# KiCad board Duet2.kicad_pcb (continued)
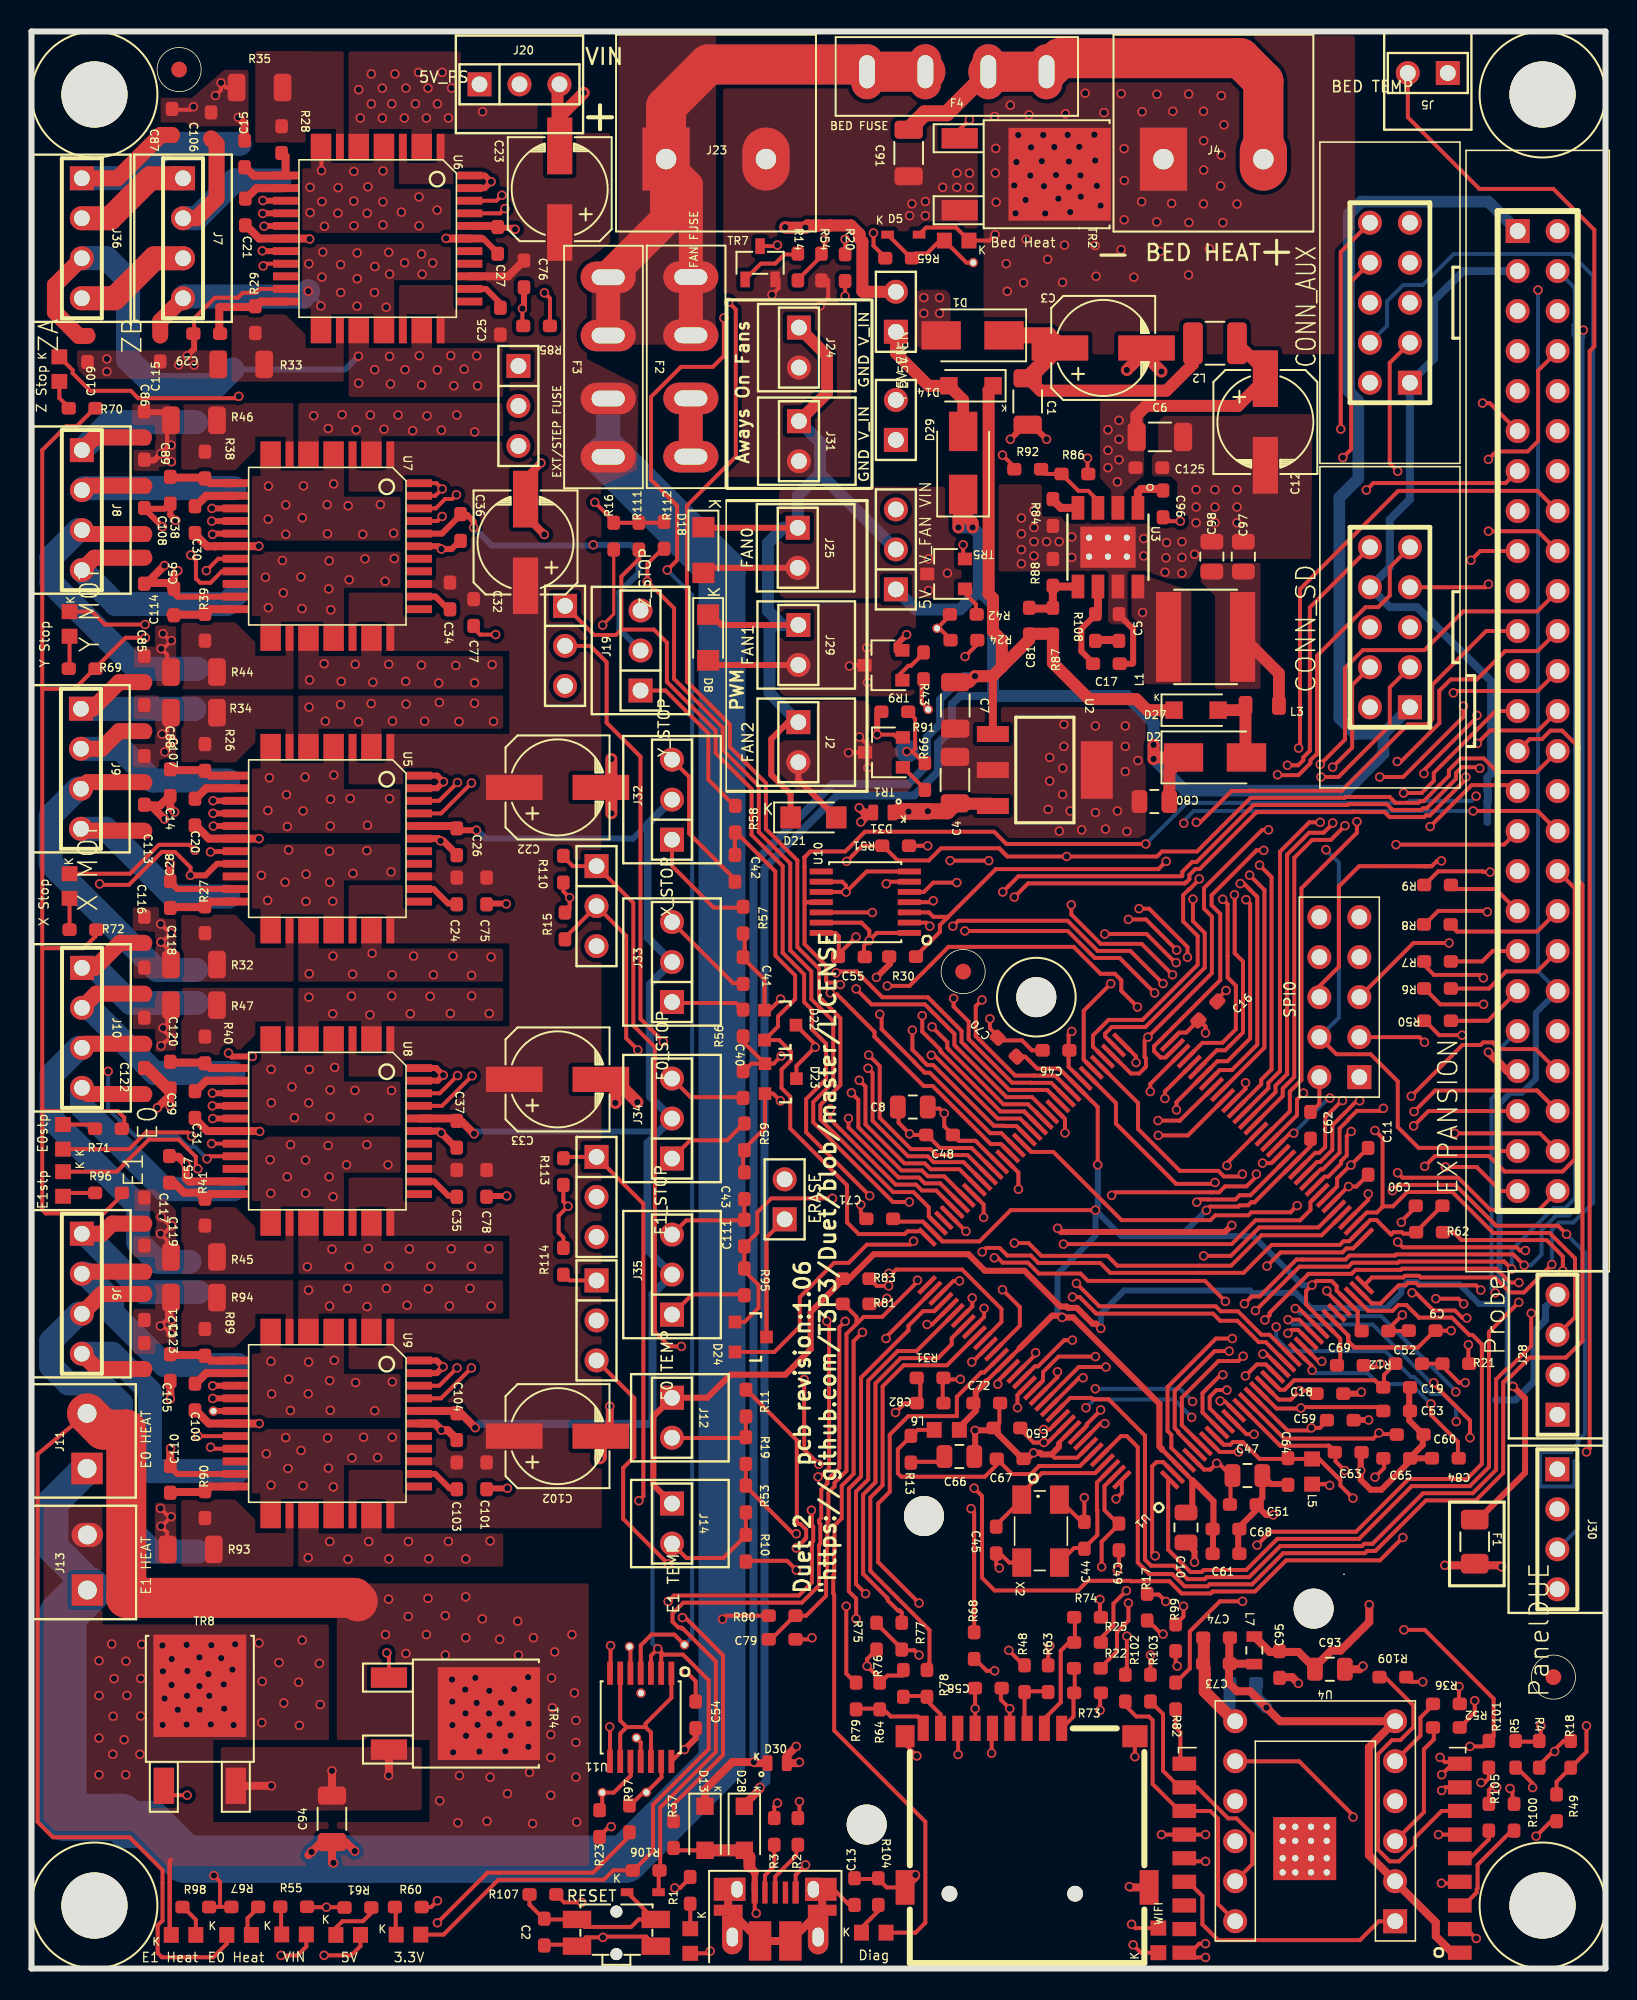
[diagram p0: board, top side]
## Routing (per net, layer and track width the routed paths; a pad name or vN(x,y) marks a point on that pad's centre or on a via; arc(x,y) is an arc through that point) (continued)
/Power Supplies/5V_common: length 5.2
  Top w0.75: D2.2 77.13,76.97 L3.1 76.83,79.9 D27.2
/Power Supplies/5v_in: length 28.4
  Top w0.762: L2.1 78.61,101.18 76.66,99.23 70.81,99.23 70.19,98.6 70.19,97.25
  In1.Cu w0.254: JP9.2 67.79,99.6 v1(69.09,98.3)
  vias: v1(68.39,97.7) v1(68.39,96.4) v1(68.39,95.3) v1(68.99,94.4) v1(69.09,97.1) v1(69.09,95.8)
/Power Supplies/5vbst: length 2.7
  Top w0.508: 71.89,93.95 70.49,93.95 70.29,93.76 U3.1
/Power Supplies/5vcomp: length 5.7
  Top w0.381: 67.49,82.85 66.7,83.64 66.7,85.06 67.59,85.95
  Top w0.508: U3.6 67.75,86.12 67.59,85.95
/Power Supplies/5vcompcap: length 1.5
  Top w0.508: 69.09,84.35 67.59,84.35
/Power Supplies/5ven: length 4.9
  Top w0.254: R92.2 64.44,94.9 R86.1 66.51,93.83 67.14,93.83 67.75,93.22 U3.3
/Power Supplies/5venjump: length 8.4
  Top w0.25: v1(61.69,96.1) 62.44,95.35 R92.1
  In1.Cu w0.25: v1(61.69,96.1) 60.73,97.06 JP9.1
/Power Supplies/5vext: length 8.9
  Top w0.75: JP10.1 54.92,102.58 56.99,100.5 D14.2 59.19,99.6 D29.2
/Power Supplies/5vfb: length 4.6
  Top w0.508: U3.5 64.99,87.76 64.89,87.85 64.89,86.35 63.39,86.35
/Power Supplies/5vout: length 5.3
  Top w0.75: L1.1 79.25,82.24 L3.2
/Power Supplies/5vrt: length 1.8
  Top w0.508: U3.4 65.39,92.75 64.89,93.25
/Power Supplies/5vsw: length 8.4
  Top w0.254: v1(72.99,91.9) 72.34,91.9 71.89,92.35
  In1.Cu w0.254: v1(70.59,86.1) 70.59,88.2 71.39,89 71.39,90.8 72.49,91.9 v1(72.99,91.9)
/Power Supplies/vin: length 19.8
  Top w0.762: 63.29,101 64.1,100.19 72.1,100.19 73.79,101.88 L2.2
  Top w1.016: D1.1 64.64,103.7 65.44,102.9 65.24,102.9 63.34,101 63.29,101
/Processor/VDDCORE: length 108.1
  Top w0.254: 71.82,32.94 U1.3 ; U1.3 73.75,31.01 ; U1.3 73.02,31.78 71.82,32.98 ; 60.66,37.29 61.83,38.46 U1.123 62.77,39.38 ; 83.15,38.25 83.15,40 U1.29 80.98,42.17 80.98,43.02 v1(81.35,43.39) 81.61,43.66 82.6,43.66 82.92,43.33 82.92,43.05 U1.33 84.26,41.71 84.26,40.78 84.56,40.48 ; 81.26,52.74 81.26,52.21 U1.50 77.7,48.65 77.49,48.65 77.3,48.46 76.76,48.46 76.68,48.38 74.88,48.38 v1(74.64,48.15) ; v1(67.74,51.03) 67.74,54.7 U1.81 65.29,57.15 63.89,57.15 63.13,57.9 C70.1 ; 65.52,41.46 65.52,41.38 v1(65.48,41.34) ; 54.69,47.6 54.86,47.43 56.62,47.43 U1.107 57.88,46.17 60.23,46.17 62.22,48.16 v1(67.59,48.16)
  Top w0.381: 65.52,41.46 64.85,41.46 62.77,39.38 ; 75.06,26.34 75.06,27.97 75.09,27.99 75.09,29.67 73.75,31.01 73.75,29.35 C10.1 ; L6.1 58.95,34.36 59.99,35.4 59.99,36.62 60.66,37.29 ; v1(65.48,41.34) 66.18,41.34 71.66,35.86 71.66,33.15 71.82,32.98 71.82,32.94
  Bottom w0.381: v1(65.48,41.34) 65.18,41.64 65.18,44.11 67.59,46.53 v1(67.59,48.16) ; v1(67.59,48.16) 67.74,48.31 v1(67.74,51.03) ; v1(67.59,48.16) 69.24,46.5 72.55,46.5 ; 72.55,46.5 77.62,46.5 80.73,43.39 v1(81.35,43.39) ; 72.55,46.5 73,46.5 v1(74.64,48.15)
GND: length 405.9
  Top w0.254: 19.92,3.89 v1(18.74,3.89) 17.49,3.89 ; v1(59.37,46.81) 59.36,46.81 U1.104 ; v1(65.66,53.06) 65.66,53.95 U1.85 ; v1(8.88,96.73) 8.62,96.99 8.62,98.31 8.62,96.6 v1(8.22,96.2) 8.37,96.2 v1(8.88,95.68) ; v1(8.35,84.76) 8.78,84.33 v1(8.89,84.33) 8.37,83.81 v1(8.24,83.81) 8.62,83.43 8.62,82.32 ; v1(8.47,77.25) 8.81,77.94 v1(8.98,77.94) 8.49,78.38 v1(8.3,78.38) 8.62,78.56 8.62,79.74 ; v1(8.21,66.33) 8.79,65.75 v1(8.87,65.75) 8.3,65.18 v1(8.22,65.18) 8.62,64.78 8.62,63.75 ; v1(8.23,58.59) 8.51,58.87 v1(8.91,59.09) 8.36,59.57 v1(8.36,59.72) 8.62,59.89 8.62,61.17 ; v1(8.24,47.72) 8.8,47.16 v1(8.91,47.16) 8.4,46.66 v1(8.2,46.66) 8.62,46.24 8.62,45.18 ; v1(8.2,29.22) 8.72,28.69 v1(8.88,28.69) 8.27,28.08 v1(8.23,28.08) 8.62,27.69 8.62,26.61 ; v1(40.87,5.12) 41.2,5.12 41.85,5.76 ; v1(53.23,65.28) 52.89,64.95 52.89,64.24 ; v1(53.23,65.28) 53.71,65.76 U10.1 ; v1(53.23,65.28) 53.23,65.91 52.73,66.41 U10.13 ; v1(8.85,40.32) 8.37,40.8 v1(8.19,40.8) 8.59,41.2 v1(8.88,41.2) 8.62,41.46 8.62,42.6 8.62,41.39 ; 65.28,33.31 65.28,33.4 U1.135 ; 64.8,32.64 65,32.44 66.43,32.44 U1.138 ; v1(53.73,78.35) 54.78,78.35 54.96,78.17 ; S1.2 39.05,2.02 36.35,2.02 v1(36.3,1.98) 35.22,1.98 S1.1 34.56,1.51 32.58,1.51 ; J37.2 81.82,54.9 81.26,54.34 ; v1(47.05,106.28) 47.47,106.7 47.47,107.26 ; 10.33,103.81 10.33,104.78 11.65,106.09 13.11,106.09 13.42,106.4 14.24,106.4 14.49,106.65 U6.21 ; v1(11.69,118.93) 12.04,119.28 v1(12.04,119.74) 12.34,119.44 12.99,119.44 ; v1(10.29,118.22) 10.1,118.03 8.93,118.03 ; v1(49.18,6.57) 48.55,5.94 J22.5 ; v1(77.13,56.24) 77.13,55.86 U1.61 ; U11.7 36.79,18.78 v1(36.79,20.5) ; U1.44 82.95,49.66 82.95,50.17 83.79,51.01 v1(83.83,51.01) 84.92,52.1 C11.2 ; v1(76.69,32.8) 75.49,32.8 U1.8 ; v1(74.59,1.58) 74.19,1.58 73.62,1 ; v1(59.31,83.3) 60.04,84.03 60.04,84.35 ; J15.G 55.5,14.25 v1(56.25,13.5) ; 48.49,20.9 49.49,20.9 v1(49.59,21) ; 96.54,13.65 96.64,13.65 v1(96.77,13.78) ; 96.54,13.65 97.34,14.45 R18.2 ; 96.54,13.65 95.79,12.9 95.79,12.8 ; v1(70.1,13.45) 70.1,14.75 J15.G ; 50.18,69.01 51.51,69.01 51.75,68.77 v1(51.75,68.35) 53.06,69.66 55.77,69.66 ; 33.79,49.8 33.79,48.7 v1(34.09,48.4) 33.49,47.8 33.49,46.73 33.79,46.43 33.79,45.7 ; v1(57.29,67.8) 57.2,67.71 U10.4 ; X2.4 66.78,28.3 66.89,28.3 v1(66.89,29.9) ; v1(74.59,0.7) 73.55,0.7 73.25,1 ; 44.69,69.06 44.69,69.16 41.78,72.07 41.78,75.67 J32.3 ; v1(59.95,34.17) 61.02,34.17 ; 52.29,5.68 53.8,5.68 54.33,5.15 J15.G ; 24.74,3.9 25.39,3.9 v1(25.79,4.3) ; U7.43 25.65,93.52 v1(26.09,93.95) 25.73,94.32 U7.44 ; v1(68.99,25.3) 69.09,25.4 69.09,26.6 ; v1(71.79,8.5) U4.13 v1(74.59,8.5) ; v1(61.49,25.43) 61.29,25.63 61.29,26.4 ; X2.2 62.12,25.78 61.49,26.4 ; 87.53,40.48 86.16,40.48 86.16,40.57 v1(87.09,41.5) ; U1.95 59.98,52.56 58.91,52.56 57.99,53.48 v1(57.99,54.3) 57.69,54.6 56.89,54.6 ; 59.19,89.66 v1(59.19,90.4) ; 33.79,69 33.79,68.4 v1(34.19,68) 34.19,67.3 33.89,67 ; U1.115 59.77,42.03 v1(59.77,42.58) ; 45.21,62.57 44.58,62.57 J33.3 ; 59.95,17.65 v1(59.95,16.5) J15.6 ; 84.78,38.21 85.5,38.21 v1(85.69,38.4) ; v1(67.09,95.9) 67.09,94.95 R86.2 ; 28.19,85.01 28.5,84.7 v1(29.49,84.7) ; v1(89.59,12.3) 90.29,13 90.73,13 90.63,13.1 89.79,13.1 v1(89.49,13.4) ; v1(54.34,42.55) 53.99,42.2 53.19,42.2 ; v1(31.19,105.4) 31.19,104.35 R85.2 ; 40.19,91.8 R111.2 37.09,91.8 v1(35.79,93.1) ; v1(60.89,60.3) 60.89,59.7 61.66,58.94 62.93,58.94 63.56,58.3 64.29,58.3 ; J35.3 41.59,47.5 45.29,47.5 45.29,48.9 ; 75.3,61.51 v1(75.89,62.1) ; v1(50.1,105.58) 50.62,106.1 50.62,107.24 ; v1(54.89,35.3) 55.49,35.9 56.29,35.9 56.47,36.08 56.47,37.3 ; v1(41.6,18.84) 42.2,18.24 42.2,16.9 ; 50.18,68.36 51.74,68.36 ; 61.49,35.8 61.49,34.64 61.17,34.32 ; 53.09,47.6 52.69,48.01 v1(52.69,48.5) ; J34.3 41.88,55.33 45.21,55.33 ; 88.39,33.93 88.39,33.25 ; 3.56,102.06 3.59,102.09 ; 87.99,48.41 87.03,47.44 v1(87.03,47.39)
  Top w0.381: U5.43 25.77,74.95 v1(26.17,75.35) 25.78,75.75 U5.44 ; v1(30.17,67.6) 30.14,67.62 28.91,67.62 ; v1(30.19,49.06) 30.19,49.06 28.91,49.06 ; v1(30.24,30.5) 30.22,30.49 28.91,30.49 ; 65.28,33.31 65.28,33.12 64.8,32.64 64.19,32.64 64.08,32.75 v1(63.66,32.75) 63.28,32.36 62.98,32.36 61.38,33.96 61.38,34.11 61.17,34.32 61.02,34.17 v1(59.95,34.17) 59.95,32.62 ; v1(55.6,84.7) 54.96,84.06 54.96,83.66 ; 8.82,31.86 9.27,31.41 U9.21 ; 8.82,69 9.27,68.55 U5.21 ; 8.82,87.57 9.27,87.12 U7.21 ; 29.62,108.93 28.7,109.85 U6.39 ; 87.54,32.18 85.76,30.4 85.08,30.4 84.45,31.03 v1(84.45,31.62) 84.45,32.78 ; 83.96,34.83 v1(84.95,34.83) ; 89,32.4 87.54,32.4 88.39,33.25 88.39,33.93 87.53,34.8 87.53,36.78 ; 77.77,29.46 77.77,29.08 76.66,27.97 76.66,26.34 ; 77.77,29.46 78.43,28.8 v1(78.89,28.8) ; 77.77,29.46 78.2,29.89 C47.2 78.74,30.76 79.83,30.76 ; v1(8.88,41.2) 8.82,41.26 8.82,42.6 ; 8.82,98.31 8.31,98.82 7.15,98.82 ; v1(8.22,96.2) 7.79,95.76 7.17,95.76 ; v1(8.32,91.55) 7.18,92.69 7.17,92.69 8.44,92.69 8.82,93.07 8.82,92.31 v1(9.17,91.95) ; 27.26,90.7 26.69,90.13 v1(26.04,90.13) 25.86,90.32 U7.39 ; C76.2 31.29,105.5 v1(31.19,105.4) ; v1(8.24,47.72) 8.24,47.83 ; R91.1 53.73,79.53 v1(53.73,78.35) ; U6.43 28.79,113.05 v1(29.2,113.46) 28.81,113.85 U6.44 ; U8.43 25.81,56.38 v1(26.16,56.73) 25.71,57.18 U8.44 ; 10.33,103.81 10.33,102.85 v1(9.89,102.4) ; U9.43 25.75,37.81 v1(26.15,38.2) 25.74,38.61 U9.44 ; 73.35,27.04 73.89,26.5 v1(73.89,25.8) ; v1(84.49,36.6) 84.39,36.5 C18.2 ; v1(62.19,97.1) 63.09,98 63.59,98 v1(64.49,97.1) ; 69.09,85.95 69.99,85.05 69.99,82.9 69.95,82.85 69.09,82.85
  Top w0.446: U5.39 25.85,71.75 v1(25.99,71.6) 26.16,71.6 27.02,70.75 ; U8.39 25.92,53.18 v1(26.04,53.05) 26.92,52.18 27.02,52.18
  Top w0.5: v1(52.59,73.7) 52.89,73.4 D31.2 53.29,73.4 v1(52.69,72.8) ; v1(32.58,91.06) 31.39,92.25 C32.2 31.39,94.63 v1(32.36,95.6) ; v1(48.79,13.1) 48.72,13.04 D30.2 47.99,13.5 v1(48.59,14.1)
  Top w0.508: v1(69.75,5.2) 69.8,5.15 J15.G ; v1(14.45,90.32) 14.44,90.32 U7.17 11.7,90.32 11.69,90.31 11.16,90.31 10.39,91.08 10.39,91.2 ; v1(14.46,71.74) 14.45,71.75 U5.17 11.27,71.75 10.39,72.63 ; v1(8.83,70.16) 8.82,70.15 8.82,69 ; 10.39,54.06 10.39,53.96 11.17,53.18 U8.17 14.48,53.18 v1(14.5,53.15) ; 10.39,35.49 11.27,34.61 U9.17 14.47,34.61 v1(14.47,34.6) ; v1(8.8,54.77) 8.82,54.79 8.82,55.93 8.82,55.47 v1(8,54.65) ; v1(8.84,33.03) 8.82,33.01 8.82,31.86 ; v1(8.82,36.17) 8.82,36.18 8.82,37.36 ; 13.58,110.74 14.47,109.85 U6.17 17.64,109.85 v1(17.68,109.82) ; 27.02,33.61 26.44,34.19 v1(26.04,34.19) 25.62,34.61 U9.39 ; v1(26.34,109.86) 26.35,109.85 U6.39 ; v1(9.1,73.43) 8.82,73.72 8.82,74.5 8.17,73.85 7.17,73.85 7.59,73.85 v1(8.45,72.99) ; v1(8.45,89.09) 7.34,87.98 7.17,87.98 8.65,87.98 9.05,87.58 9.05,88.51 v1(9.3,88.76) ; v1(13.14,117.54) 13.54,117.14 13.54,116.03 ; v1(36.74,35.7) 36.74,34.37 36.17,33.8 ; v1(15.24,11.6) 15.24,11.6 TR8.S ; v1(22.69,12.25) 22.71,12.27 TR4.S ; 79.29,18.5 80.09,18.5 v1(80.49,18.1) ; 8.76,51.54 9.34,51.54 v1(9.81,51.07) 9.81,50.17 10,49.98 U8.21 ; 83.39,19 84.39,19 v1(84.59,19.2) ; J15.G 56.16,5.81 v1(56.16,5.94) ; 19.09,11 v1(19.09,12.55) ; v1(89.79,25.6) 89.79,25.6 93.29,25.6 v1(93.39,25.5)
  Top w0.762: v1(37.09,54.97) 37.11,54.98 37.11,56.46 37.11,56.4 v1(38.49,55.01) ; v1(36.1,32.4) 36.17,32.46 36.17,33.8 ; 8.82,55.93 8.59,55.93 7.39,57.13 7.17,57.13 ; v1(36.84,76.8) 36.84,75.67 C22.2 36.84,74.33 v1(36.84,73.35) ; J20.3 33.42,119.52 33.42,115.73 ; 74.48,19.35 74.48,20.87 ; 33.7,116.68 33.7,117.71 v1(35.09,119.1) ; v1(69.59,101.5) 70.94,102.85 70.94,102.9 70.94,102.25 v1(71.79,101.4) ; 36.89,75.03 36.89,75.45 ; 74.54,19.08 74.54,17.58 76.43,15.7 76.45,15.7
  Bottom w0.762: C92.2 76.11,16.04 76.45,15.7
  vias: v1(4.79,102.2) v1(4.79,101.4) v1(9.35,101.83) v1(10.33,101.82) v1(55.79,111.3) v1(55.93,112.06) v1(56.79,112.2) v1(56.79,111.3) v1(57.89,113.1) v1(58.79,114) v1(58.79,113.1) v1(59.59,114) v1(59.59,113.1) v1(62.89,92.1) v1(62.89,91.1) v1(62.89,90.1) v1(62.89,89.2) v1(63.69,92.6) v1(63.69,91.5) v1(63.69,90.6) v1(63.69,89.7) v1(64.49,90.6) v1(64.59,73.6) v1(64.69,76.9) v1(64.69,75.4) v1(65.29,90.6) v1(65.3,72.22) v1(65.52,76.22) v1(65.51,74.55) v1(65.59,79) v1(65.59,77.6) v1(65.99,73.5) v1(66.09,90.9) v1(66.09,89.6) v1(66.72,72.3) v1(67.59,78.9) v1(67.59,73.4) v1(68.23,72.35) v1(68.99,73.5) v1(69.49,78.9) v1(69.49,77.6) v1(69.49,76) v1(69.59,72.2) v1(70.29,76.7) v1(70.66,90.8) v1(70.66,89.7) v1(72.01,88.66) v1(72.12,90.55) v1(72.07,89.58) v1(73.09,90.6) v1(73.09,89.6) v1(73.09,88.6) v1(73.89,89.8) v1(73.99,93.9) v1(73.99,92.8) v1(73.99,91.8) v1(75.19,93.9) v1(75.19,92.8) v1(75.19,91.8) v1(76.59,93.9) v1(76.59,92.8) v1(76.59,91.8)
VBUS: length 15.4
  Top w0.254: v1(46.05,3.51) 45.95,3.6 J22.1 ; v1(43.12,1.11) 42.98,0.97 D3.1 ; D13.2 40.99,7.5 40.79,7.7
  Top w0.381: 45.95,6.06 J22.1
  Top w0.508: 45.61,6.48 45.95,6.14 45.95,6.06
  Top w0.762: 45.61,6.48 45.61,7.08 45.19,7.5 D13.2
  In1.Cu w0.254: v1(43.12,1.11) 43.12,3.06 43.77,3.71 45.48,3.71 45.69,3.51 v1(46.05,3.51)
VSSA: length 170.2
  Top w0.381: J14.1 39.51,30.71 39.51,35.06 J12.1 42.93,36.24 44.39,37.7 47.89,37.7 49.5,39.32 49.5,41.69 51.54,43.72 R83.1 51.95,43.8 53.51,45.36 59.53,45.36 60.58,44.3 63.09,44.3 65.36,42.04 65.76,42.04 65.85,41.95 66.41,41.95 67.42,40.95 67.64,40.95 v1(67.94,40.65) ; v1(94.13,36.96) 94.89,36.2 94.89,31.48 92.01,28.61 91.69,28.61
  In1.Cu w0.254: J5.1 89.98,118.61 95.71,112.88 v1(95.71,106.58)
  Bottom w0.254: v1(95.71,106.58) 95.71,63.32 J1.40
  Bottom w0.381: v1(67.94,40.65) 67.94,41.57 69.42,43.05 77.4,43.05 77.57,42.89 78.14,42.89 78.16,42.91 80.31,42.91 81.28,41.94 86.07,41.94 87.02,42.89 87.02,43.19 87.42,43.59 87.99,43.59 88.14,43.44 90.73,43.44 91.97,42.2 93.79,42.2 ; 93.79,42.2 93.79,37.3 v1(94.13,36.96) ; 93.79,42.2 93.79,43.3 93.27,43.83 93.27,54.92 93.94,55.6 94.68,55.6 95.57,56.5 95.57,60.68 J1.40
/Heater & Fan Control/bedg: length 13.5
  Top w0.254: 51.69,108.8 v1(51.69,109.8) ; TR2.G 58.97,116.78 v1(59.59,117.4)
  In1.Cu w0.254: v1(59.59,117.4) 59.29,117.4 v1(51.69,109.8)
/Heater & Fan Control/vfanfused: length 18.1
  Top w1.524: F2.2 F2.2
  In1.Cu w1.524: J3.3 53.78,93.79 44.1,93.79 F2.2
/Processor/temp0: length 9.9
  Top w0.254: U1.19 79.32,36.75 79.62,36.75 80.22,37.35 85.35,37.35 85.93,36.78 85.93,37.69 R12.2
/Processor/temp1: length 56.5
  Top w0.254: C18.1 81.45,36.69 v1(80.57,36.69) 80.01,36.13 79.24,36.13 U1.18 ; v1(48.59,26.7) 49.12,27.24 49.12,27.25 49.22,27.34 49.22,27.86 48.85,28.23 48.71,28.23 48.62,28.32 48.62,33.55 45.38,36.79
  In1.Cu w0.254: v1(73.77,36) 74.37,36 75.05,35.32 79.2,35.32 v1(80.57,36.69) ; v1(48.59,26.7) 49.13,26.16 59.43,26.16 61.26,27.99 63.08,27.99 64.39,29.3 64.39,30.5 66.03,32.15 66.03,35.53 67.31,36.81 v1(67.58,36.81)
  Bottom w0.254: v1(67.58,36.81) 72.96,36.81 v1(73.77,36)
/Processor/temp2: length 52.1
  Top w0.254: 45.38,25.89 48,25.89 v1(48.59,25.3) ; U1.17 79.1,35.56 80.62,35.56 80.7,35.65 85.64,35.65 85.93,35.35
  In1.Cu w0.254: v1(66.99,35.6) 66.54,35.16 66.54,31.96 64.89,30.3 64.89,28.9 63.53,27.54 61.44,27.54 59.61,25.71 49,25.71 v1(48.59,25.3) ; v1(80.65,35.59) 79.87,34.82 73.9,34.82 v1(73.71,35)
  Bottom w0.254: v1(66.99,35.6) 67.51,36.12 72.59,36.12 v1(73.71,35)
/Processor/temp3: length 54.5
  Top w0.25: 82.35,34.82 81.86,34.33 v1(81.31,34.33) 81.15,34.17 79.79,34.17 77.62,36.34 U1.16 ; v1(92.66,69.62) 92.24,69.62 92.19,69.67 89.37,69.67 88.53,68.83 88.53,68.8
  In1.Cu w0.25: v1(92.66,69.62) 93.83,68.45 95.08,68.45 95.87,67.66 95.87,48.97 89.84,42.95 89.84,42.23 87.68,40.06 86.47,40.06 85.06,38.66 85.06,38.08 v1(81.31,34.33)
/Processor/temp4: length 54.3
  Top w0.25: v1(92.49,67.09) 92.43,67.16 89.37,67.16 88.51,66.3 ; v1(89.22,42.53) 90.66,42.53 v1(90.99,42.2) ; 86.79,33.93 85.68,33.93 v1(85.61,34.01) 85.25,33.65 79.56,33.65 79.56,33.68 U1.15
  In1.Cu w0.25: v1(92.49,67.09) 93.33,66.25 93.33,58.94 93.67,58.6 93.67,57.78 93.33,57.44 93.33,47.08 89.22,42.96 v1(89.22,42.53) ; v1(85.61,34.01) 85.61,36.82 v1(90.99,42.2)
/Processor/temp5: length 51.4
  Top w0.25: v1(83.44,31.62) 82.85,32.2 82.85,32.78 ; 88.52,63.67 89.1,63.09 92.05,63.09 v1(92.24,62.9)
  Top w0.254: 82.43,33.2 82.36,33.2 ; 82.36,33.2 79.34,33.2 U1.14 ; 82.36,33.2 82.44,33.2 82.85,32.78
  In1.Cu w0.25: v1(92.24,62.9) 92.88,62.26 92.88,58.75 93.22,58.41 93.22,57.96 92.88,57.62 92.88,47.27 88.59,42.98 88.59,42.91 87.81,42.13 86.84,42.13 86.46,41.76 86.46,41.49 83.82,38.85 83.82,37.88 80.67,34.73 80.67,34.05 83.1,31.62 v1(83.44,31.62)
/Processor/temp6: length 54.1
  Top w0.25: v1(77.67,33.93) 77.19,33.93 U1.12 ; v1(85.35,31.2) 85.94,31.78 85.94,32.4 ; v1(87.71,42.9) 87.95,42.9 89.07,41.78 90.44,41.78 90.91,41.3 v1(91.19,41.3) ; v1(92.25,61.22) 89.5,61.22 88.52,62.2 88.52,62.23
  In1.Cu w0.25: v1(87.71,42.9) 87.88,42.9 92.43,47.46 92.43,57.43 91.93,57.93 91.93,58.67 92.25,58.99 v1(92.25,61.22) ; v1(91.19,41.3) 91.19,40.42 90.33,39.56 89.95,39.56 88.33,37.95 88.33,37.93 87.96,37.56 87.96,33.81 v1(85.35,31.2) 85.14,30.99 83.06,30.99 80.12,33.93 v1(77.67,33.93)
/Processor/temp7: length 43.9
  Top w0.25: v1(81.36,37.99) 81.36,38.25 U1.24 ; v1(88.91,35.85) 88.91,35.16 90.62,33.44 90.62,32.42 ; v1(90.88,59.27) 89.44,59.27 88.52,60.18
  In1.Cu w0.25: v1(90.88,59.27) 91.03,59.12 91.03,57.56 91.27,57.32 91.27,57.31 91.53,57.04 91.53,47.9 87.79,44.15 86.9,44.15 85.57,42.82 85.57,41.93 82.63,38.99 82.63,38.25 82.19,37.82 81.52,37.82 v1(81.36,37.99)
  Bottom w0.25: v1(88.91,35.85) 87.66,37.1 85.59,37.1 84.89,37.8 81.54,37.8 v1(81.36,37.99)
ADVREF: length 108.9
  Top w0.254: 81.8,32.36 83.15,31.01 ; 81.8,32.36 83.15,31.01 ; 81.8,32.36 L5.1 ; 83.15,31.01 83.15,30.67 v1(83.95,29.87) ; L5.1 78.02,32.36 76.95,33.43 76.33,33.43 76.16,33.26 75.75,33.26 U1.9 ; L5.1 81.58,32.36 ; L5.1 81.59,32.36 ; 45.38,32.09 45.38,30.61 48.36,27.63 48.67,27.63 48.62,27.63 v1(48.59,27.6) ; v1(59.89,30.5) 60.39,30 60.39,24.8 61.19,24 66.49,24 67.1,24.62 69.82,24.62 69.85,24.59 72.29,24.59 73.07,23.82 74.91,23.82 75.04,23.94 77.74,23.94 79.71,25.92 85.67,25.92 v1(87.12,27.37) ; 91.29,38.3 v1(91.29,39.6)
  In1.Cu w0.254: v1(87.12,27.37) 84.62,29.87 v1(83.95,29.87) 85.58,29.87 89.62,33.91 89.62,36.84 91.29,38.52 v1(91.29,39.6) 92.99,41.3 v1(92.99,42.9) ; v1(59.89,30.5) 58.19,32.2 54.65,32.2 50.66,28.21 50.55,28.21 50.12,27.78 49.88,27.78 49.7,27.6 v1(48.59,27.6)
  Bottom w0.254: J1.41 93.29,58.4 93.29,55.75 92.75,55.22 92.75,43.14 v1(92.99,42.9)
BED-: length 5.6
  Top w0.254: v1(61.22,110.1) 60.84,109.72 D6.2 58.73,110.55 56.84,110.55 D5.2
  Bottom w0.254: v1(63.03,107.04) 63.1,107.11
  vias: v1(61.19,117.6) v1(61.23,114.01) v1(61.26,115.57) v1(61.29,112.16) v1(61.93,108.25) v1(61.99,106.5) v1(62.19,118.32) v1(62.44,113.22) v1(62.52,111.45) v1(62.57,114.71) v1(62.69,116.42) v1(63.16,112.3) v1(63.19,109.8) v1(63.38,117.7) v1(63.5,115.65) v1(63.45,113.85) v1(64.19,114.76) v1(64.28,116.42) v1(64.32,113.18) v1(64.4,111.44) v1(64.56,108.53) v1(64.98,115.66) v1(65.09,113.89) v1(65.24,112.38) v1(65.5,107.07) v1(65.63,109.43) v1(65.69,117.77) v1(65.83,116.43) v1(65.91,114.74) v1(65.91,113.13) v1(65.99,111.53) v1(66.56,115.68) v1(66.64,113.86) v1(66.66,112.51) v1(66.94,119.08) v1(67.52,116.45) v1(67.58,114.81) v1(67.58,109.41) v1(67.64,107.46) v1(67.68,113.2) v1(67.92,111.94) v1(68.14,117.84) v1(69.23,119.05) v1(69.22,109.14) v1(69.42,115.56) v1(69.43,113.54) v1(69.42,111.04) v1(70.04,107.4) v1(70.53,112.2) v1(70.56,117.9) v1(71.5,119.01) v1(71.49,110.91) v1(71.7,109.04) v1(72.43,112.09) v1(72.51,117.93) v1(73.52,119.02) v1(73.53,110.87) v1(73.51,107.54) v1(74.46,117.93) v1(74.47,116.06) v1(74.47,114.2) v1(74.46,112.05) v1(74.83,109.2) v1(75.59,118.92) v1(75.59,115.14) v1(75.55,113.19) v1(75.69,110.86) v1(75.76,117.07) v1(76.59,112.04)
BED_PWM: length 104.7
  Top w0.254: U11.4 38.7,20.52 39.39,21.2 40.84,21.2 TP9.1 ; 51.69,107.2 v1(51.69,106.2) ; v1(43.99,104.8) 43.99,102.4 43.29,101.7 41.26,101.7 39.36,99.8 39.36,94.53 41.02,92.88 41.02,89.43 v1(40.39,88.8)
  In1.Cu w0.254: v1(43.99,104.8) 44.49,104.8 47.29,107.6 50.29,107.6 v1(51.69,106.2)
  Bottom w0.254: TP9.1 41.98,21.05 41.98,87.21 v1(40.39,88.8)
CS3: length 49.2
  Top w0.25: v1(60.52,41.92) 60.52,41.37 U1.117 ; v1(70.37,67.3) 71.01,67.3 73.44,64.86 v1(73.44,64.21)
  In1.Cu w0.25: v1(73.44,64.21) 74.66,62.99 83.13,62.99 J37.7 ; v1(70.37,67.3) 69.48,67.3 68.87,66.68 68.87,65.57 68.77,65.47 68.77,65.3 67.18,63.71 67.18,63.3 67.04,63.17 67.04,61.91 67.09,61.86 67.09,61.85 67.18,61.76 67.18,51.83 63.83,48.48 63.83,43.94 61.81,41.92 v1(60.52,41.92)
CS4: length 53.4
  Top w0.25: v1(59.74,38.51) 59.78,38.51 U1.120 ; v1(72.75,64.67) 70.81,66.62 v1(69.69,66.62)
  In1.Cu w0.25: J37.9 83.09,65.49 81.1,65.49 80.46,64.85 72.94,64.85 v1(72.75,64.67) ; v1(69.69,66.62) 69.32,66.25 69.32,65.38 69.22,65.28 69.22,65.11 67.63,63.52 67.63,63.12 67.49,62.98 67.49,62.09 67.54,62.05 67.54,62.03 67.63,61.94 67.63,52.03 68.37,51.29 68.37,50.77 67.9,50.31 67.9,48.88 68.39,48.4 68.39,43.35 65.75,40.71 64.45,40.71 62.25,38.51 v1(59.74,38.51)
CS5: length 28.5
  Top w0.25: U1.56 75.95,51.15 v1(75.95,50.99) ; v1(86.79,50.53) 87.11,50.21 90.64,50.21 92.68,48.18 93.97,48.18 93.97,48.18 95.77,48.18 J1.50
  In1.Cu w0.25: v1(86.79,50.53) 86.59,50.53 85.63,49.57 85.63,49.01 84.42,47.8 78.69,47.8 76.27,50.22 76.27,50.67 v1(75.95,50.99)
D6_TestPoint: length 7.1
  Top w0.254: D5.1 55.89,108.6 56.19,108.9 56.89,108.9 57.71,109.72 D6.1 59.4,108.33 TP16.1
DDM: length 42.4
  Top w0.254: v1(67.92,35.47) 67.92,35.44 67.05,34.56 67.05,34.46 U1.136 ; v1(47.39,10.5) 47.19,10.3 47.19,9.5
  In1.Cu w0.254: v1(47.39,10.5) 50.61,13.73 50.61,23.38 52.43,25.2 52.44,25.2 52.5,25.26 59.8,25.26 61.63,27.09 63.97,27.09 65.59,28.7 65.59,30.2 67.34,31.95 67.34,34.86 67.92,35.44 v1(67.92,35.47)
DDP: length 40.7
  Top w0.254: v1(68.19,34.6) 67.89,34.6 U1.137 ; 48.59,9.5 48.79,9.7 v1(48.79,10.6)
  In1.Cu w0.254: v1(68.19,34.6) 68.19,32.16 66.04,30.02 66.04,28.52 62.33,24.8 52.69,24.8 52.49,24.6 52.48,24.6 51.14,23.26 51.14,12.95 v1(48.79,10.6)
E0-: length 75.8
  Top w0.254: J11.2 0.39,32.66 0.39,9.31 1.37,8.33 6.24,8.33 8.33,6.25 8.33,3.05 8.02,2.74 8.02,0.98 8.29,0.71 11.55,0.71 12.41,1.57 D7.2
  Top w2.54: 20.73,23.31 20.51,23.54 6.02,23.54 6.02,34.2 6,34.22 4.56,34.22 J11.2
  vias: v1(22.49,21.2) v1(22.69,23.45) v1(23.79,20) v1(23.94,22.35) v1(25.09,21.2) v1(25.19,23.5) v1(25.94,10.65) v1(26.29,22.4) v1(26.29,19.9) v1(26.72,18.35) v1(26.74,16.95) v1(26.74,15.46) v1(26.79,13.73) v1(27.09,9.25) v1(27.19,12.25) v1(27.59,23.6) v1(27.59,21) v1(27.55,17.71) v1(27.57,16.2) v1(27.61,14.78) v1(28.2,18.46) v1(28.28,16.87) v1(28.34,15.47) v1(28.46,13.77) v1(28.64,22.2) v1(28.94,9.35) v1(29.08,17.64) v1(29.07,16.19) v1(29.1,14.8) v1(29.14,12.15) v1(29.73,15.55) v1(29.74,20.9) v1(29.82,16.87) v1(30.1,13.8) v1(30.24,11.1) v1(30.43,14.8) v1(30.56,16.19) v1(30.67,17.75) v1(30.89,22.05) v1(30.94,19.9) v1(31.55,18.5) v1(31.61,16.99) v1(31.59,15.55) v1(31.56,14.08) v1(31.64,12.45) v1(31.84,9.2) v1(31.89,21) v1(33.04,18.45) v1(32.99,14.85) v1(32.99,13.4) v1(32.99,11) v1(33.09,16.55) v1(33.24,20.1) v1(34.34,21.2) v1(34.49,17.5) v1(34.59,15.75) v1(34.59,14.35) v1(34.59,12.15) v1(34.64,9.3)
E0_DIR: length 46.7
  Top w0.25: v1(27.99,56.69) 26.08,54.78 U8.41 ; v1(52.59,56.4) 52.98,56.01 52.98,53.6 55.46,51.13 56.76,51.13 57.13,50.75 58.96,50.75 U1.99
  In1.Cu w0.25: v1(27.99,56.69) 28.29,56.39 28.51,56.39 TP4.2 39.62,52.72 42.78,52.72 46.47,56.4 v1(52.59,56.4)
E0_EN: length 58.1
  Top w0.25: v1(11.44,52.38) 11.45,52.38 U8.18 ; v1(50.75,54.58) 50.75,53.93 54.9,49.78 56.2,49.78 56.57,49.41 57.47,49.41 U1.103
  In1.Cu w0.25: v1(50.75,54.58) 50.59,54.42 46.7,54.42 38.73,46.46 TP4.3 33.83,46.46 31.91,48.37 14.59,48.37 12.14,50.82 12.14,51.68 v1(11.44,52.38)
E0_MOT_1A: length 15.7
  Top w1.016: 7.17,61.9 4.11,61.9 J10.2
  Bottom w1.524: 12.83,56.87 7.83,56.87 3.69,61 J10.2
  vias: v1(15.22,57.1) v1(15.23,54.98) v1(16.55,55.99) v1(16.71,54.03) v1(17.61,54.97) v1(17.65,57.09) v1(18.97,55.79) v1(18.98,54.08) v1(19.26,57.22) v1(20.55,55.76) v1(21.44,54.01) v1(22.87,55.75)
E0_MOT_1B: length 12.8
  Top w1.016: 7.17,65.13 5.62,65.13 4.03,63.54 J10.1
  Bottom w1.524: 10.49,61.31 6.3,61.31 4.07,63.54 J10.1
  vias: v1(17.63,61.68) v1(19.14,60.63) v1(20.33,61.75) v1(21.5,60.56) v1(22.89,61.77) v1(24.06,60.63) v1(25.33,61.73) v1(26.61,60.65) v1(27.96,61.77) v1(29.08,60.65)
E0_MOT_2A: length 23.4
  Top w1.016: 7.17,58.72 3.47,58.72 J10.3
  Bottom w1.524: 10.04,44.88 8.03,44.88 6.78,46.12 6.78,48.44 1.28,53.94 1.28,56.74 3,58.46 J10.3
  vias: v1(17.53,44.56) v1(19.09,45.68) v1(20.19,44.56) v1(21.4,45.71) v1(22.7,44.59) v1(24.01,45.69) v1(25.38,44.59) v1(26.67,45.7) v1(27.95,44.59) v1(29.07,45.71)
E0_MOT_2B: length 17.1
  Top w1.016: 7.17,55.53 3.6,55.53 J10.4
  Bottom w1.524: 12.82,49.48 8.43,49.48 3.21,54.7 J10.4
  vias: v1(15.16,51.36) v1(15.2,49.23) v1(16.25,50.27) v1(16.46,52.31) v1(17.41,51.33) v1(17.42,49.23) v1(18.85,52.26) v1(18.91,50.27) v1(19.16,49.01) v1(20.02,51.03) v1(21.3,52.31) v1(22.65,51.03)
E0_PWM: length 4.9
  Top w0.254: 36.09,10 36.26,10.17 TP10.1 37,11.17 38.07,12.25 38.07,13.67
E0_STEP: length 71.2
  Top w0.254: v1(27.07,56.7) 25.94,55.58 U8.42 ; v1(63.79,39.1) 63.79,38.98 U1.125 ; v1(38.59,29.7) 38.87,29.99 38.87,48.56 TP4.1 33.92,51.54 33.79,51.4
  In1.Cu w0.254: v1(27.07,56.7) 27.82,57.45 28.15,57.45 34.06,51.54 TP4.1 ; v1(38.59,29.7) 39.69,30.8 47.65,30.8 48.94,32.1 48.94,32.46 49.57,33.1 50.46,33.1 52.71,35.35 52.75,35.44 52.89,35.58 52.96,35.6 52.96,35.61 53.04,35.63 53.13,35.82 54.72,37.4 58.12,37.4 58.75,38.04 59.27,38.04 59.51,37.8 62.49,37.8 v1(63.79,39.1)
E0_STOP: length 23
  Top w0.25: v1(52.09,55.6) 52.53,55.16 52.53,53.42 55.27,50.68 56.57,50.68 56.94,50.3 57.99,50.3 U1.101 ; 45.21,50.37 45.21,52.01 45.23,52.01 46.6,53.37 D23.2 47.12,55.55 v1(47.58,55.09)
  In1.Cu w0.25: v1(52.09,55.6) 51.77,55.92 48.41,55.92 v1(47.58,55.09)
E0_STOP_CONN: length 50.7
  Top w0.254: v1(10.18,52.85) 9.93,53.09 7.27,53.09 6.21,52.03 D11.2 ; 45.21,53.61 44.19,52.59 41.86,52.59 J34.1
  In1.Cu w0.254: v1(10.18,52.85) 10.47,53.15 13.58,53.15 14.23,52.5 14.77,52.5 15.43,53.15 25.12,53.15 25.93,53.97 28.2,53.97 29.29,52.88 29.29,52.4 33.46,48.23 33.46,48.1 33.82,47.74 38.02,47.74 40.69,50.42 J34.1
E1-: length 9.5
  Top w0.254: 8.78,2.23 8.78,6.84 ; 8.78,2.23 8.78,6.84 ; 8.78,2.23 D20.2 ; 8.78,6.84 8.85,6.91
  vias: v1(4.29,19.54) v1(4.29,17.33) v1(4.29,14.63) v1(4.29,12.3) v1(5.1,20.6) v1(5.19,16.02) v1(5.17,13.61) v1(5.25,18.41) v1(5.89,14.53) v1(6,19.51) v1(5.99,12.3) v1(6.06,17.34) v1(6.89,13.6) v1(7,20.59) v1(6.94,18.41) v1(6.94,16.04) v1(8.32,20.51) v1(8.33,15.47) v1(8.35,18.87) v1(8.45,17.15) v1(8.91,19.65) v1(8.9,18) v1(9.29,16.43) v1(9.86,20.55) v1(9.91,18.9) v1(9.88,17.32) v1(9.86,15.49) v1(10.67,19.76) v1(10.67,17.93) v1(10.69,16.44) v1(11.24,18.7) v1(11.29,17.32) v1(11.42,20.53) v1(11.39,15.5) v1(12.05,19.71) v1(12.21,18.04) v1(12.24,16.5) v1(12.77,18.98) v1(12.84,15.46) v1(12.94,20.59) v1(14.46,20.67) v1(14.63,15.62) v1(14.66,18.23) v1(15.73,19.43) v1(16.03,16.86) v1(16.97,18.18) v1(17.02,15.44) v1(17.2,20.85) v1(18.29,19.38) v1(18.34,16.76)